# Altium PCB uz_per_voltage_measurement.PcbDoc (part 1 of 2) (continued)
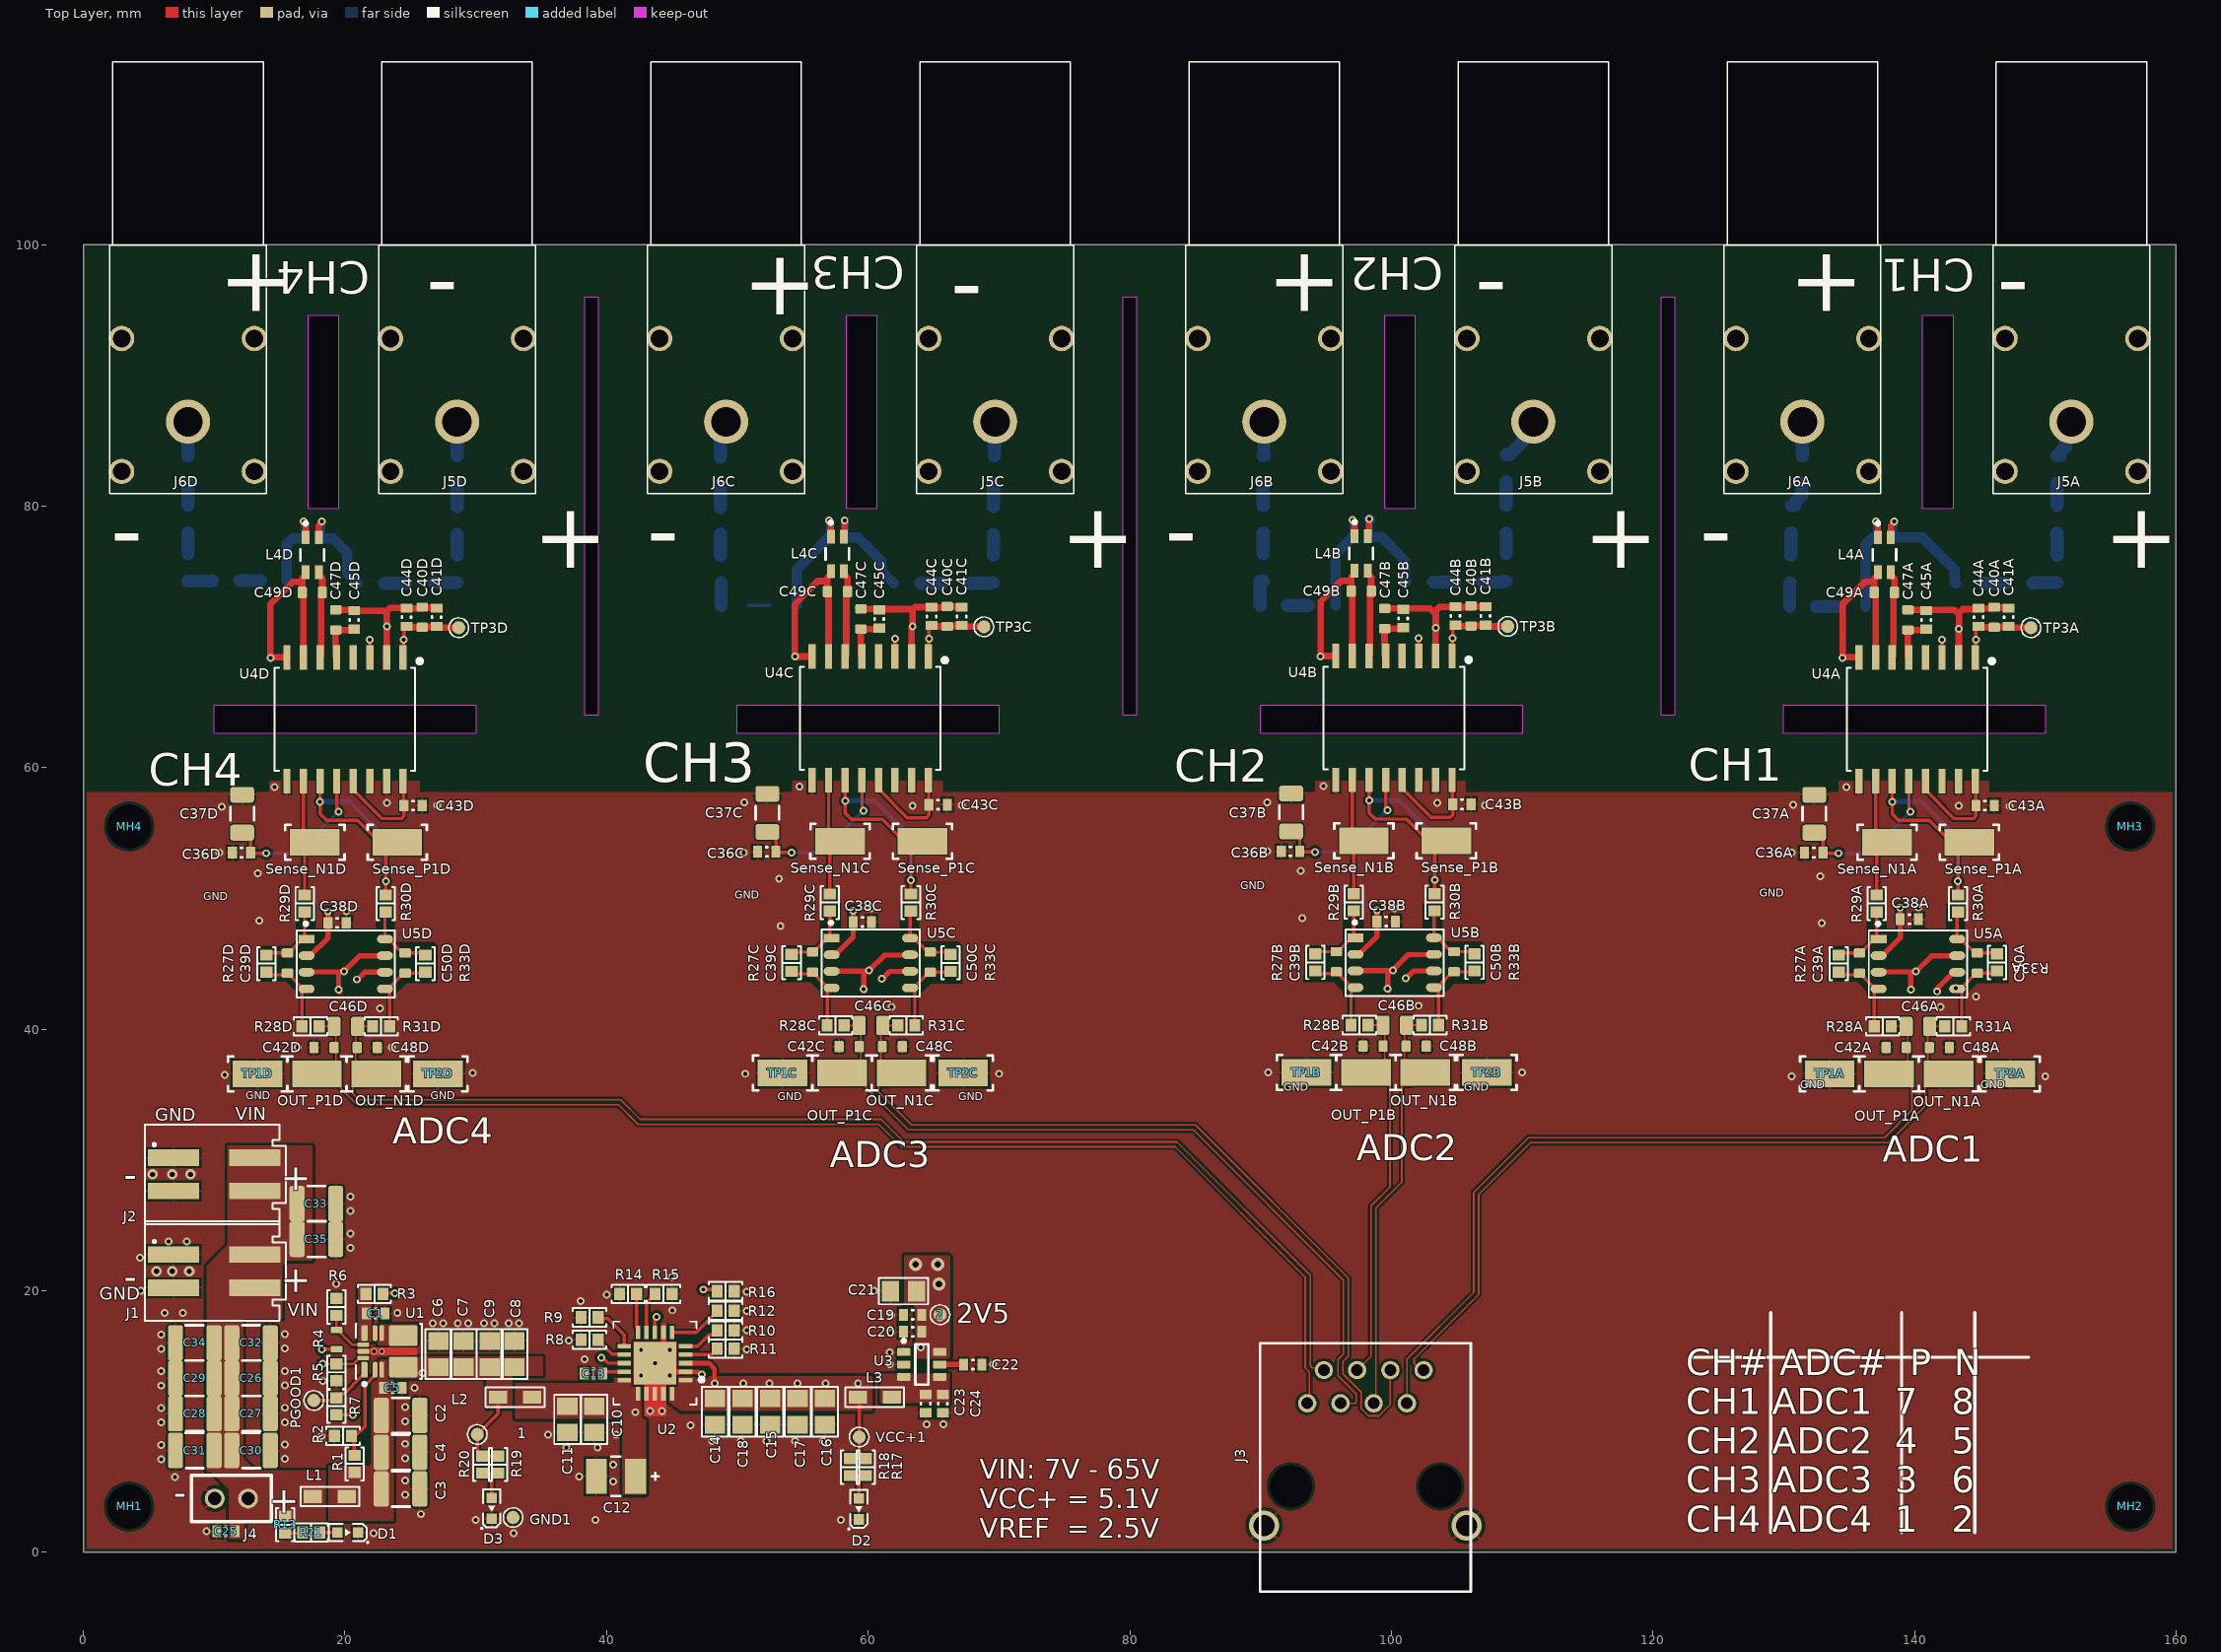
[diagram p0: Top Layer view]
## Classes and differential pairs
channel class Voltage_Measurement: Measurement_1 Measurement_2 Measurement_3 Measurement_4
net class Power: NetJ5A_1 NetJ5B_1 NetJ5C_1 NetJ5D_1 NetJ6A_1 NetJ6B_1 NetJ6C_1 NetJ6D_1
component class power_supply: 1 2 C1 C2 C3 C4 C5 C6 C7 C8 C9 C10 C11 C12 C13 C14 C15 C16 C17 C18 C19 C20 C21 C22 C23 C24 D1 D2 D3 GND1 L1 L2 L3 PGOOD1 R1 R2 R3 R4 R5 R6 R7 R8 R9 R10 R11 R12 R13 R14 R15 R16 R17 R18 R19 R20 R21 U1 U2 U3 VCC+1
component class TopSheet: C25 C26 C27 C28 C29 C30 C31 C32 C33 C34 C35 INFO1 J1 J2 J3 J4 LOGO1 MH1 MH2 MH3 MH4 Serial1
component class Measurement_4: C36D C37D C38D C39D C40D C41D C42D C43D C44D C45D C46D C47D C48D C49D C50D J5D J6D L4D OUT_N1D OUT_P1D R22D R23D R24D R25D R26D R27D R28D R29D R30D R31D R32D R33D R34D R35D R36D R37D R38D Sense_N1D Sense_P1D TP1D TP2D TP3D U4D U5D
component class Measurement_3: C36C C37C C38C C39C C40C C41C C42C C43C C44C C45C C46C C47C C48C C49C C50C J5C J6C L4C OUT_N1C OUT_P1C R22C R23C R24C R25C R26C R27C R28C R29C R30C R31C R32C R33C R34C R35C R36C R37C R38C Sense_N1C Sense_P1C TP1C TP2C TP3C U4C U5C
component class Measurement_2: C36B C37B C38B C39B C40B C41B C42B C43B C44B C45B C46B C47B C48B C49B C50B J5B J6B L4B OUT_N1B OUT_P1B R22B R23B R24B R25B R26B R27B R28B R29B R30B R31B R32B R33B R34B R35B R36B R37B R38B Sense_N1B Sense_P1B TP1B TP2B TP3B U4B U5B
component class Measurement_1: C36A C37A C38A C39A C40A C41A C42A C43A C44A C45A C46A C47A C48A C49A C50A J5A J6A L4A OUT_N1A OUT_P1A R22A R23A R24A R25A R26A R27A R28A R29A R30A R31A R32A R33A R34A R35A R36A R37A R38A Sense_N1A Sense_P1A TP1A TP2A TP3A U4A U5A
differential pair I3_OUT: +I3_OUT_P -I3_OUT_N
differential pair I4_OUT: +I4_OUT_P -I4_OUT_N
differential pair I2_OUT: +I2_OUT_P -I2_OUT_N
differential pair I1_OUT: +I1_OUT_P -I1_OUT_N

## Components (designator, comment, footprint, x,y, rotation, side; value= is the part's Value field where it differs from the comment)
1 "6.1V" TP_1mm 30.117,9.011 r90 top value="Testpoint 1mm"
2 "2V5" TP_1mm 65.495,18.164 r90 top value="Testpoint 1mm"
C1 "1 µF" C_0603 22.352,18.264 r0 top
C2 "2.2 µF" C_1210_TE 24.252,10.464 r0 top
C3 "2.2 µF" C_1210_TE 24.252,4.839 r0 top
C4 "2.2 µF" C_1210_TE 24.252,7.651 r0 top
C5 "100 nF" C_0603 23.652,12.564 r180 top
C6 "10 µF" C0805 27.152,15.164 r270 top
C7 "10 µF" C0805 29.052,15.164 r270 top
C8 "10 µF" C0805 32.952,15.164 r270 top
C9 "10 µF" C0805 31.052,15.164 r270 top
C10 "10 µF" C0805 39.039,10.164 r90 top
C11 "10 µF" C0805 37.002,10.164 r90 top
C12 "47 uF" 10TPE47MAZB 40.717,5.811 r0 top
C13 "1 µF" C_0603 39.002,13.664 r180 top
C14 "10 µF" C0805 48.302,10.764 r90 top
C15 "10 µF" C0805 52.502,10.764 r90 top
C16 "10 µF" C0805 56.702,10.764 r90 top
C17 "10 µF" C0805 54.602,10.764 r90 top
C18 "10 µF" C0805 50.402,10.764 r90 top
C19 "100 nF" C_0603 63.402,18.164 r0 top
C20 "1 µF" C_0603 63.402,16.864 r0 top
C21 "10 µF" C0805 62.702,19.964 r0 top
C22 "1 µF" C_0603 68.002,14.364 r180 top
C23 "100 nF" C_0603 64.402,11.364 r90 top
C24 "1 µF" C_0603 65.702,11.364 r90 top
C25 "100 nF" C_0603 10.9,1.6 r180 top
C26 "2.2 µF" C_1210_TE 12.817,13.311 r0 top
C27 "2.2 µF" C_1210_TE 12.817,10.611 r0 top
C28 "2.2 µF" C_1210_TE 8.517,10.611 r180 top
C29 "2.2 µF" C_1210_TE 8.517,13.311 r180 top
C30 "2.2 µF" C_1210_TE 12.817,7.786 r0 top
C31 "2.2 µF" C_1210_TE 8.517,7.786 r180 top
C32 "2.2 µF" C_1210_TE 12.817,16.011 r0 top
C33 "2.2 µF" C_1210_TE 17.817,26.661 r0 top
C34 "2.2 µF" C_1210_TE 8.517,16.011 r180 top
C35 "2.2 µF" C_1210_TE 17.817,23.936 r0 top
C36A "1 µF" C_0603 132.298,53.499 r0 top (schematic designator C36)
C36B "1 µF" C_0603 92.298,53.599 r0 top (schematic designator C36)
C36C "1 µF" C_0603 52.248,53.567 r0 top (schematic designator C36)
C36D "1 µF" C_0603 12.098,53.499 r0 top (schematic designator C36)
C37A "1 nF" C_1206_TE 132.342,56.478 r0 top (schematic designator C37)
C37B "1 nF" C_1206_TE 92.342,56.578 r0 top (schematic designator C37)
C37C "1 nF" C_1206_TE 52.292,56.546 r0 top (schematic designator C37)
C37D "1 nF" C_1206_TE 12.142,56.478 r0 top (schematic designator C37)
C38A "100 nF" C_0603 139.6,48.4 r0 top (schematic designator C38)
C38B "100 nF" C_0603 99.609,48.232 r0 top (schematic designator C38)
C38C "100 nF" C_0603 59.559,48.201 r0 top (schematic designator C38)
C38D "100 nF" C_0603 19.409,48.132 r0 top (schematic designator C38)
C39A "22pF" C_0603_TE 135.798,45.056 r180 top (schematic designator C39)
C39B "22pF" C_0603_TE 95.798,45.156 r180 top (schematic designator C39)
C39C "22pF" C_0603_TE 55.748,45.125 r180 top (schematic designator C39)
C39D "22pF" C_0603_TE 15.598,45.056 r180 top (schematic designator C39)
C40A "1 nF" C_0603_TE 146.1,71.5 r0 top (schematic designator C40)
C40B "1 nF" C_0603_TE 106.1,71.6 r0 top (schematic designator C40)
C40C "1 nF" C_0603_TE 66.05,71.568 r0 top (schematic designator C40)
C40D "1 nF" C_0603_TE 25.9,71.5 r0 top (schematic designator C40)
C41A "1 uF" C_0603 147.2,71.5 r270 top (schematic designator C41)
C41B "1 uF" C_0603 107.2,71.6 r270 top (schematic designator C41)
C41C "1 uF" C_0603 67.15,71.568 r270 top (schematic designator C41)
C41D "1 uF" C_0603 27,71.5 r270 top (schematic designator C41)
C42A "68 nF" C_0603_TE 138.6,38.6 r90 top (schematic designator C42)
C42B "68 nF" C_0603_TE 98.6,38.7 r90 top (schematic designator C42)
C42C "68 nF" C_0603_TE 58.55,38.668 r90 top (schematic designator C42)
C42D "68 nF" C_0603_TE 18.4,38.6 r90 top (schematic designator C42)
C43A "100 nF" C_0603 145.4,57.1 r0 top (schematic designator C43)
C43B "100 nF" C_0603 105.4,57.2 r0 top (schematic designator C43)
C43C "100 nF" C_0603 65.35,57.168 r0 top (schematic designator C43)
C43D "100 nF" C_0603 25.2,57.1 r0 top (schematic designator C43)
C44A "100 nF" C_0603 144.9,71.5 r270 top (schematic designator C44)
C44B "100 nF" C_0603 104.9,71.6 r270 top (schematic designator C44)
C44C "100 nF" C_0603 64.85,71.568 r270 top (schematic designator C44)
C44D "100 nF" C_0603 24.7,71.5 r270 top (schematic designator C44)
C45A "100 nF" C_0603 140.9,71.3 r270 top (schematic designator C45)
C45B "100 nF" C_0603 100.9,71.4 r270 top (schematic designator C45)
C45C "100 nF" C_0603 60.85,71.368 r270 top (schematic designator C45)
C45D "100 nF" C_0603 20.7,71.3 r270 top (schematic designator C45)
C46A "680 nF" C_0805_TE 140.267,40.211 r270 top (schematic designator C46)
C46B "680 nF" C_0805_TE 100.267,40.311 r270 top (schematic designator C46)
C46C "680 nF" C_0805_TE 60.217,40.279 r270 top (schematic designator C46)
C46D "680 nF" C_0805_TE 20.067,40.211 r270 top (schematic designator C46)
C47A "1 nF" C_0603_TE 139.5,71.3 r0 top (schematic designator C47)
C47B "1 nF" C_0603_TE 99.5,71.4 r0 top (schematic designator C47)
C47C "1 nF" C_0603_TE 59.45,71.368 r0 top (schematic designator C47)
C47D "1 nF" C_0603_TE 19.3,71.3 r0 top (schematic designator C47)
C48A "68 nF" C_0603_TE 141.9,38.6 r90 top (schematic designator C48)
C48B "68 nF" C_0603_TE 101.9,38.7 r90 top (schematic designator C48)
C48C "68 nF" C_0603_TE 61.85,38.668 r90 top (schematic designator C48)
C48D "68 nF" C_0603_TE 21.7,38.6 r90 top (schematic designator C48)
C49A "22pF" C_0603_TE 137.7,73.4 r270 top (schematic designator C49)
C49B "22pF" C_0603_TE 97.7,73.5 r270 top (schematic designator C49)
C49C "22pF" C_0603_TE 57.65,73.468 r270 top (schematic designator C49)
C49D "22pF" C_0603_TE 17.5,73.4 r270 top (schematic designator C49)
C50A "22pF" C_0603_TE 144.802,45.056 r180 top (schematic designator C50)
C50B "22pF" C_0603_TE 104.802,45.156 r180 top (schematic designator C50)
C50C "22pF" C_0603_TE 64.752,45.125 r180 top (schematic designator C50)
C50D "22pF" C_0603_TE 24.602,45.056 r180 top (schematic designator C50)
D1 "KT-0603R" WL-SMCW_0603 20.217,1.511 r180 top
D2 "KT-0603R" WL-SMCW_0603 59.287,3.311 r90 top
D3 "KT-0603R" WL-SMCW_0603 31.212,3.364 r90 top
GND1 "Testpoint 1mm" TP_1mm 32.852,2.664 r0 top
INFO1 "Design Information" Design_info 87.917,16.111 r180 bottom
J1 "IPL1-102-02-L-D-K" IPL1-102-02-L-D-K-0 10,21.5 r0 top
J2 "IPL1-102-02-L-D-K" IPL1-102-02-L-D-K-0 10,28.9 r0 top
J3 "R-RJ45R10P-B000" R-RJ45R10P-B000 98,7.55 r0 top locked
J4 "TSW-102-07-F-S" TSW-102-XX-XXX-S 11.317,4.111 r180 top
J5A "FCR7350R, PCB mount 4mm jack, RED" FCR7350 152,97.43 r90 top locked value="PCB mount 4mm jack, Red FCR7350R, 1000V, 24A" (schematic designator J5)
J5B "FCR7350R, PCB mount 4mm jack, RED" FCR7350 110.857,97.43 r90 top locked value="PCB mount 4mm jack, Red FCR7350R, 1000V, 24A" (schematic designator J5)
J5C "FCR7350R, PCB mount 4mm jack, RED" FCR7350 69.714,97.43 r90 top locked value="PCB mount 4mm jack, Red FCR7350R, 1000V, 24A" (schematic designator J5)
J5D "FCR7350R, PCB mount 4mm jack, RED" FCR7350 28.571,97.43 r90 top locked value="PCB mount 4mm jack, Red FCR7350R, 1000V, 24A" (schematic designator J5)
J6A "FCR7350B, PCB mount 4mm jack, BLACK" FCR7350 131.429,97.43 r90 top locked value="PCB mount 4mm jack, Black	FCR7350B, 1000V, 24A" (schematic designator J6)
J6B "FCR7350B, PCB mount 4mm jack, BLACK" FCR7350 90.286,97.43 r90 top locked value="PCB mount 4mm jack, Black	FCR7350B, 1000V, 24A" (schematic designator J6)
J6C "FCR7350B, PCB mount 4mm jack, BLACK" FCR7350 49.143,97.43 r90 top locked value="PCB mount 4mm jack, Black	FCR7350B, 1000V, 24A" (schematic designator J6)
J6D "FCR7350B, PCB mount 4mm jack, BLACK" FCR7350 8,97.43 r90 top locked value="PCB mount 4mm jack, Black	FCR7350B, 1000V, 24A" (schematic designator J6)
L1 "600 Ohm" "WE-CBF_0805_High Current" 18.852,4.264 r0 top
L2 "600 Ohm" "WE-CBF_0805_High Current" 33.002,11.864 r0 top
L3 "600 Ohm" "WE-CBF_0805_High Current" 60.502,11.864 r0 top
L4A "DLW31SN222SQ2L" FP-DLW31S-MFG 137.7,76.275 r270 top (schematic designator L4)
L4B "DLW31SN222SQ2L" FP-DLW31S-MFG 97.7,76.375 r270 top (schematic designator L4)
L4C "DLW31SN222SQ2L" FP-DLW31S-MFG 57.65,76.343 r270 top (schematic designator L4)
L4D "DLW31SN222SQ2L" FP-DLW31S-MFG 17.5,76.275 r270 top (schematic designator L4)
LOGO1 "UZ Logo" UZ_Logo_small 83.517,2.411 r180 bottom value=Logo
MH1 "Mounting Hole" MH_3.4#1 3.5,3.5 r90 top locked
MH2 "Mounting Hole" MH_3.4#1 156.5,3.5 r90 top locked
MH3 "Mounting Hole" MH_3.4#2 156.5,55 r90 top locked
MH4 "Mounting Hole" MH_3.4#2 3.5,55 r90 top locked
OUT_N1A "5015" KSTN-5019_V 142.599,36.585 r180 top value="SMD Testpoint" (schematic designator OUT_N1)
OUT_N1B "5015" KSTN-5019_V 102.599,36.685 r180 top value="SMD Testpoint" (schematic designator OUT_N1)
OUT_N1C "5015" KSTN-5019_V 62.549,36.654 r180 top value="SMD Testpoint" (schematic designator OUT_N1)
OUT_N1D "5015" KSTN-5019_V 22.399,36.585 r180 top value="SMD Testpoint" (schematic designator OUT_N1)
OUT_P1A "5015" KSTN-5019_V 138.057,36.585 r180 top value="SMD Testpoint" (schematic designator OUT_P1)
OUT_P1B "5015" KSTN-5019_V 98.057,36.685 r180 top value="SMD Testpoint" (schematic designator OUT_P1)
OUT_P1C "5015" KSTN-5019_V 58.007,36.654 r180 top value="SMD Testpoint" (schematic designator OUT_P1)
OUT_P1D "5015" KSTN-5019_V 17.857,36.585 r180 top value="SMD Testpoint" (schematic designator OUT_P1)
PGOOD1 "Testpoint 1mm" TP_1mm 17.617,11.611 r90 top
R1 "10k" "RES 0603_1608" 20.752,6.764 r270 top
R2 "100k" "RES 0603_1608" 19.85,8.9 r180 top
R3 "0R" "RES 0603_1608" 22.252,19.764 r180 top
R4 "51k" R_0603_TE 19.352,16.264 r0 top
R5 "0R" "RES 0603_1608" 19.352,13.764 r90 top
R6 "10k" "RES 0603_1608" 19.352,18.764 r90 top
R7 "10k" "RES 0603_1608" 19.352,11.164 r270 top
R8 "0R" "RES 0603_1608" 38.702,16.264 r180 top
R9 "0R" "RES 0603_1608" 38.702,17.964 r0 top
R10 "0R" "RES 0603_1608" 49.102,16.964 r180 top
R11 "0R" "RES 0603_1608" 49.102,15.564 r180 top
R12 "0R" "RES 0603_1608" 49.102,18.464 r0 top
R13 "10k" "RES 0603_1608" 15.417,2.111 r270 top
R14 "0R" "RES 0603_1608" 41.652,19.764 r0 top
R15 "0R" "RES 0603_1608" 44.352,19.764 r180 top
R16 "0R" "RES 0603_1608" 49.102,19.964 r180 top
R17 "10k" "RES 0603_1608" 59.817,6.511 r270 top
R18 "10k" "RES 0603_1608" 58.617,6.511 r270 top
R19 "10k" "RES 0603_1608" 31.717,6.711 r270 top
R20 "10k" "RES 0603_1608" 30.517,6.711 r270 top
R21 "10k" "RES 0603_1608" 17.417,1.511 r0 top
R22A "1M" R_0805_TE 150.9,82.8 r90 bottom (schematic designator R22)
R22B "1M" R_0805_TE 108.8,82.9 r90 bottom (schematic designator R22)
R22C "1M" R_0805_TE 69.6,82.8 r90 bottom (schematic designator R22)
R22D "1M" R_0805_TE 28.6,82.8 r90 bottom (schematic designator R22)
R23A "1M" R_0805_TE 150.9,79 r270 bottom (schematic designator R23)
R23B "1M" R_0805_TE 108.771,78.989 r270 bottom (schematic designator R23)
R23C "1M" R_0805_TE 69.571,78.889 r270 bottom (schematic designator R23)
R23D "1M" R_0805_TE 28.571,78.889 r270 bottom (schematic designator R23)
R24A "1M" R_0805_TE 150.9,75.2 r90 bottom (schematic designator R24)
R24B "1M" R_0805_TE 108.8,75.3 r90 bottom (schematic designator R24)
R24C "1M" R_0805_TE 69.6,75.2 r90 bottom (schematic designator R24)
R24D "1M" R_0805_TE 28.6,75.2 r90 bottom (schematic designator R24)
R25A "1M" R_0805_TE 148,74.1 r180 bottom (schematic designator R25)
R25B "1M" R_0805_TE 105.9,74.2 r180 bottom (schematic designator R25)
R25C "1M" R_0805_TE 66.7,74.1 r180 bottom (schematic designator R25)
R25D "1M" R_0805_TE 25.7,74.1 r180 bottom (schematic designator R25)
R26A "1M" R_0805_TE 144.2,74.1 r0 bottom (schematic designator R26)
R26B "1M" R_0805_TE 102.2,74.2 r0 bottom (schematic designator R26)
R26C "1M" R_0805_TE 63,74.1 r0 bottom (schematic designator R26)
R26D "1M" R_0805_TE 22,74.1 r0 bottom (schematic designator R26)
R27A "2k" "RES 0603_1608" 134.198,45.006 r270 top (schematic designator R27)
R27B "2k" "RES 0603_1608" 94.198,45.106 r270 top (schematic designator R27)
R27C "2k" "RES 0603_1608" 54.148,45.075 r270 top (schematic designator R27)
R27D "2k" "RES 0603_1608" 13.998,45.006 r270 top (schematic designator R27)
R28A "49R9" "RES 0603_1608" 137.567,40.211 r0 top (schematic designator R28)
R28B "49R9" "RES 0603_1608" 97.567,40.311 r0 top (schematic designator R28)
R28C "49R9" "RES 0603_1608" 57.517,40.279 r0 top (schematic designator R28)
R28D "49R9" "RES 0603_1608" 17.367,40.211 r0 top (schematic designator R28)
R29A "1k" "RES 0603_1608" 137.117,49.611 r270 top (schematic designator R29)
R29B "1k" "RES 0603_1608" 97.117,49.711 r270 top (schematic designator R29)
R29C "1k" "RES 0603_1608" 57.067,49.679 r270 top (schematic designator R29)
R29D "1k" "RES 0603_1608" 16.917,49.611 r270 top (schematic designator R29)
R30A "1k" "RES 0603_1608" 143.317,49.611 r270 top (schematic designator R30)
R30B "1k" "RES 0603_1608" 103.317,49.711 r270 top (schematic designator R30)
R30C "1k" "RES 0603_1608" 63.267,49.679 r270 top (schematic designator R30)
R30D "1k" "RES 0603_1608" 23.117,49.611 r270 top (schematic designator R30)
R31A "49R9" "RES 0603_1608" 142.967,40.211 r180 top (schematic designator R31)
R31B "49R9" "RES 0603_1608" 102.967,40.311 r180 top (schematic designator R31)
R31C "49R9" "RES 0603_1608" 62.917,40.279 r180 top (schematic designator R31)
R31D "49R9" "RES 0603_1608" 22.767,40.211 r180 top (schematic designator R31)
R32A "10k" "RES 0603_1608" 137.7,77.6 r0 bottom (schematic designator R32)
R32B "10k" "RES 0603_1608" 97.7,77.7 r0 bottom (schematic designator R32)
R32C "10k" "RES 0603_1608" 57.65,77.668 r0 bottom (schematic designator R32)
R32D "10k" "RES 0603_1608" 17.5,77.6 r0 bottom (schematic designator R32)
R33A "2k" "RES 0603_1608" 146.3,45.1 r270 top (schematic designator R33)
R33B "2k" "RES 0603_1608" 106.348,45.106 r270 top (schematic designator R33)
R33C "2k" "RES 0603_1608" 66.298,45.075 r270 top (schematic designator R33)
R33D "2k" "RES 0603_1608" 26.148,45.006 r270 top (schematic designator R33)
R34A "1M" R_0805_TE 135.2,72.3 r0 bottom (schematic designator R34)
R34B "1M" R_0805_TE 94.7,72.4 r0 bottom (schematic designator R34)
R34C "1M" R_0805_TE 53.5,72.4 r0 bottom (schematic designator R34)
R34D "1M" R_0805_TE 14.6,74.3 r0 bottom (schematic designator R34)
R35A "1M" R_0805_TE 131.5,72.3 r180 bottom (schematic designator R35)
R35B "1M" R_0805_TE 91,72.4 r180 bottom (schematic designator R35)
R35C "1M" R_0805_TE 49.8,72.4 r180 bottom (schematic designator R35)
R35D "1M" R_0805_TE 10.9,74.3 r180 bottom (schematic designator R35)
R36A "1M" R_0805_TE 130.5,75.2 r270 bottom (schematic designator R36)
R36B "1M" R_0805_TE 90.2,75.3 r270 bottom (schematic designator R36)
R36C "1M" R_0805_TE 48.7,75.2 r270 bottom (schematic designator R36)
R36D "1M" R_0805_TE 8,75.3 r270 bottom (schematic designator R36)
R37A "1M" R_0805_TE 130.6,79 r90 bottom (schematic designator R37)
R37B "1M" R_0805_TE 90.2,79 r90 bottom (schematic designator R37)
R37C "1M" R_0805_TE 48.7,78.9 r90 bottom (schematic designator R37)
R37D "1M" R_0805_TE 8,79 r90 bottom (schematic designator R37)
R38A "1M" R_0805_TE 131.4,82.8 r270 bottom (schematic designator R38)
R38B "1M" R_0805_TE 90.2,82.8 r270 bottom (schematic designator R38)
R38C "1M" R_0805_TE 48.7,82.7 r270 bottom (schematic designator R38)
R38D "1M" R_0805_TE 8,82.8 r270 bottom (schematic designator R38)
Sense_N1A "5015" KSTN-5019_V 137.9,54.3 r180 top value="SMD Testpoint" (schematic designator Sense_N1)
Sense_N1B "5015" KSTN-5019_V 97.9,54.4 r180 top value="SMD Testpoint" (schematic designator Sense_N1)
Sense_N1C "5015" KSTN-5019_V 57.85,54.368 r180 top value="SMD Testpoint" (schematic designator Sense_N1)
Sense_N1D "5015" KSTN-5019_V 17.7,54.3 r180 top value="SMD Testpoint" (schematic designator Sense_N1)
Sense_P1A "5015" KSTN-5019_V 144.2,54.3 r0 top value="SMD Testpoint" (schematic designator Sense_P1)
Sense_P1B "5015" KSTN-5019_V 104.2,54.4 r0 top value="SMD Testpoint" (schematic designator Sense_P1)
Sense_P1C "5015" KSTN-5019_V 64.15,54.368 r0 top value="SMD Testpoint" (schematic designator Sense_P1)
Sense_P1D "5015" KSTN-5019_V 24,54.3 r0 top value="SMD Testpoint" (schematic designator Sense_P1)
Serial1 "Serialnumber 6.3 x 6.3 mm" SERIAL_6.3X6.3MM 107.517,20.611 r180 bottom value=REV
TP1A "5015" KSTN-5019_V 133.515,36.585 r180 top value="SMD Testpoint" (schematic designator TP1)
TP1B "5015" KSTN-5019_V 93.515,36.685 r180 top value="SMD Testpoint" (schematic designator TP1)
TP1C "5015" KSTN-5019_V 53.465,36.654 r180 top value="SMD Testpoint" (schematic designator TP1)
TP1D "5015" KSTN-5019_V 13.315,36.585 r180 top value="SMD Testpoint" (schematic designator TP1)
TP2A "5015" KSTN-5019_V 147.315,36.585 r0 top value="SMD Testpoint" (schematic designator TP2)
TP2B "5015" KSTN-5019_V 107.315,36.685 r0 top value="SMD Testpoint" (schematic designator TP2)
TP2C "5015" KSTN-5019_V 67.265,36.653 r0 top value="SMD Testpoint" (schematic designator TP2)
TP2D "5015" KSTN-5019_V 27.115,36.585 r0 top value="SMD Testpoint" (schematic designator TP2)
TP3A "Testpoint 1mm" TP_1mm 148.9,70.7 r180 top (schematic designator TP3)
TP3B "Testpoint 1mm" TP_1mm 108.9,70.8 r180 top (schematic designator TP3)
TP3C "Testpoint 1mm" TP_1mm 68.85,70.768 r180 top (schematic designator TP3)
TP3D "Testpoint 1mm" TP_1mm 28.7,70.7 r180 top (schematic designator TP3)
U1 "TPSM365R3F" RDN0011A-MFG 23.452,15.364 r90 top
U2 "TPS7A4700RGWR" QFN65P500X500X100-21N-D 43.702,14.464 r180 top value="5 V"
U3 "REF35250QDBVR" TI_SOT23_6-Leads 64.102,14.364 r0 top value=2.5V
U4A "AMC3330DWE" SOIC_30DWER_TEX 140.2,63.7 r270 top (schematic designator U4)
U4B "AMC3330DWE" SOIC_30DWER_TEX 100.2,63.8 r270 top (schematic designator U4)
U4C "AMC3330DWE" SOIC_30DWER_TEX 60.15,63.768 r270 top (schematic designator U4)
U4D "AMC3330DWE" SOIC_30DWER_TEX 20,63.7 r270 top (schematic designator U4)
U5A "THS4521" ADA4940-1ARZ-R7 140.259,44.989 r0 top (schematic designator U5)
U5B "THS4521" ADA4940-1ARZ-R7 100.259,45.089 r0 top (schematic designator U5)
U5C "THS4521" ADA4940-1ARZ-R7 60.209,45.058 r0 top (schematic designator U5)
U5D "THS4521" ADA4940-1ARZ-R7 20.059,44.989 r0 top (schematic designator U5)
VCC+1 "VCC+" TP_1mm 59.317,8.811 r90 top value="Testpoint 1mm"

## Footprints (in the part's own frame and the unit in brackets; to place one, negate y for a bottom-side part, rotate by r counter-clockwise, add the part's x,y. Pads: shape width x height; smd on the part's side, far side on the other; paste and mask are expansions set on the pad)
10TPE47MAZB [mm] "Tantalum Capacitors - Polymer 10volts 47uF ESR 35mohm"
  rect 1.6x2.7 smd paste+0 mask+0: 1(-1.5,0) 2(1.5,0)
  silkscreen extent -0.33,-1.5 3.25,1.5, body extent -1.75,-1.4 1.75,1.4, height 2
ADA4940-1ARZ-R7 [mm]
  rect 1.22x0.663 smd: 1(-3,1.905)
  oval 1.22x0.663 smd: 2(-3,0.635) 3(-3,-0.635) 4(-3,-1.905) 5(3,-1.905) 6(3,-0.635) 7(3,0.635) 8(3,1.905)
  silkscreen extent -3.75,-2.55 3.75,3.2, body extent -3.1,-2.5 3.1,2.5, height 1.76
C0805 [mm]
  rect 1.35x1.55 smd: 1(-1,0) 2(1,0)
  silkscreen extent -1.9,-1 1.9,1, body extent -1.1,-0.72 1.1,0.72, height 1.45
C_0603 [mm] "Chip Capacitor, Body 1.6x0.8mm, Height 1.0mm, IPC High Density"
  rect 0.7x0.9 smd: 1(-0.7,0) 2(0.7,0)
  silkscreen extent -0.05,-0.35 0.05,0.35, body extent -0.87,-0.47 0.88,0.48, height 1
C_0603_TE [mm] "Vishay VJ0603 1.6 x 0.8 (+0.15/-0.1) 0.4 +/- 0,15mm Kontakte"
  rrect33% 0.88x0.71 smd: 1(0,0.77) 2(0,-0.77)
  body extent -0.4,-0.8 0.4,0.8, height 1
C_0805_TE [mm] "Capacitor, Chip; 2.00 mm L X 1.25 mm W X 1.45 mm H body"
  rrect33% 1.47x1 smd: 1(0,0.9) 2(0,-0.9)
  body extent -0.62,-1 0.63,1, height 1.45
C_1206_TE [mm]
  rrect33% 1.82x1.21 smd: 1(0,1.45) 2(0,-1.45)
  silkscreen extent -0.9,-0.5 0.9,0.5, body extent -0.81,-1.6 0.81,1.6, height 1.82
C_1210_TE [mm]
  rrect33% 1.16x2.72 smd: 1(-1.475,0) 2(1.475,0)
  silkscreen extent -0.65,-1.35 0.7,1.35, body extent -1.6,-1.26 1.6,1.26, height 2.52
Design_info [mm] "Design information about the PCB"
FCR7350 [mil]
  round 132.87 hole 88.58: 1(-432.22,0)
  round 76.5 hole 53.15: 2(-581.83,200) 3(-581.83,-200) 4(-181.83,-200) 5(-181.83,200)
  silkscreen extent -649,-236 652,236, body extent -648,-236 651,236, height 485
FP-DLW31S-MFG [mm]
  rect 1.05x0.6 smd paste+0 mask+0: 1(-1.325,-0.5) 2(1.325,-0.5) 3(1.325,0.5) 4(-1.325,0.5)
  silkscreen extent -2.52,-0.9 0.43,0.9, body extent -1.95,-1 1.95,1, height 0.25
IPL1-102-02-L-D-K-0 [mm]
  rect 3.94x1.27 smd paste+0 mask+0: 1(-3.11,1.27) 2(-3.11,-1.27) 3(3.11,1.27) 4(3.11,-1.27)
  silkscreen extent -5.3,-3.81 5.5,3.81, body extent -4.79,-3.3 4.79,3.3, height 8.76
KSTN-5019_V [mm] "Test Point, 1-Leads, Body 3.81x2.03mm"
  rect 3.8x2.03 smd: 1(0,0)
  silkscreen extent -2.26,-1.34 2.27,1.34, body extent -1.91,-1.02 1.9,1.02, height 2.29
MH_3.4#1 [mm]
  round 3.1 hole 3.4 unplated: 1(0,0)
MH_3.4#2 [mm]
  round 3.1 hole 3.4 unplated: 1(0.5,0)
QFN65P500X500X100-21N-D [mm]
  rect 1.05x0.35 smd: 1(-2.35,1.3) 2(-2.35,0.65) 3(-2.35,0) 4(-2.35,-0.65) 5(-2.35,-1.3) 11(2.35,-1.3) 12(2.35,-0.65) 13(2.35,0) 14(2.35,0.65) 15(2.35,1.3)
  rect 0.35x1.05 smd: 6(-1.3,-2.35) 7(-0.65,-2.35) 8(0,-2.35) 9(0.65,-2.35) 10(1.3,-2.35) 16(1.3,2.35) 17(0.65,2.35) 18(0,2.35) 19(-0.65,2.35) 20(-1.3,2.35)
  rect 3.25x3.25 smd: 21(0,0)
  silkscreen extent -3.71,-3.17 3.18,3.17
R-RJ45R10P-B000 [mm]
  round 1.4 hole 0.9: A1(-4.425,3.842) A2(-3.155,6.382) A3(-1.885,3.842) A4(-0.615,6.382) A5(0.655,3.842) A6(1.925,6.382) A7(3.195,3.842) A8(4.465,6.382)
  round 1.065 hole 3.25 unplated: MH3(-5.69,-2.508) MH4(5.74,-2.508)
  round 2.3 hole 1.6: S1(-7.725,-5.5) S2(7.75,-5.5)
  silkscreen extent -8.03,-10.55 8.08,8.45, body extent -7.9,-10.43 7.9,8.37, height 14.5
R_0603_TE [mm] "Vishay D0603 1.55 x 0.85 (+0.1/-0.05) 0.3 +/- 0,2mm Kontakte"
  rrect33% 0.9x0.5 smd: 1(0,0.73) 2(0,-0.73)
  body extent -0.42,-0.78 0.43,0.77, height 0.45
R_0805_TE [mm]
  rrect33% 1x1.5 smd: 1(-1.04,0) 2(1.04,0)
  silkscreen extent -0.25,-0.7 0.25,0.7, body extent -1,-0.6 1,0.6, height 0.83
RDN0011A-MFG [mm]
  rrect42% 1.2x0.475 smd paste-1000 mask-1000: 1(-1.4,1.962) 8(1.4,1.962)
  rrect57% 1.2x0.35 smd paste-1000 mask-1000: 2(-1.4,1.15) 3(-1.4,0.65) 6(1.4,0.65) 7(1.4,1.15)
  rrect13% 1.6x2.15 smd paste-1000 mask-1000: 4(-1.2,-1) 5(1.2,-1)
  rrect57% 0.35x0.9 smd paste-1000 mask-1000: 9(0.5,2.05) 10(0,2.05) 11(-0.5,2.05)
  Top Layer region: -0.2,2.4 -0.2,2.42 -0.185,2.457 -0.157,2.485 -0.12,2.5 -0.1,2.5 -0.1,2.5 0.1,2.5 0.12,2.5 0.157,2.485 0.185,2.457 0.2,2.42 0.2,2.4 0.2,2.4 0.2,1.515 0.201,1.507 0.207,1.493 0.218,1.482 0.232,1.476 0.24,1.475 0.24,1.475 0.24,1.475 0.248,1.475 0.263,1.469 0.274,1.458 0.28,1.443 0.28,1.435 0.28,1.435 0.28,-1.975 0.28,-1.995 0.265,-2.032 0.237,-2.06 0.2,-2.075 0.18,-2.075 0.18,-2.075 -0.18,-2.075 -0.2,-2.075 -0.237,-2.06 -0.265,-2.032 -0.28,-1.995 -0.28,-1.975 -0.28,-1.975 -0.28,1.435 -0.28,1.443 -0.274,1.458 -0.263,1.469 -0.248,1.475 -0.24,1.475 -0.24,1.475 -0.232,1.476 -0.218,1.482 -0.207,1.493 -0.201,1.507 -0.2,1.515 -0.2,1.515
  silkscreen extent -2.62,-2.42 2.1,2.6, body extent -2.1,-2.4 2.1,2.6, height 0.25
"RES 0603_1608" [mm] "Chip Resistor, 2-Leads, Body 1.60x0.80mm, IPC Medium Density"
  rect 0.85x0.95 smd: 1(-0.65,0) 2(0.65,0)
  silkscreen extent -1.27,-0.7 1.27,0.7, body extent -0.8,-0.4 0.8,0.4, height 0.45
SERIAL_6.3X6.3MM [mm]
  silkscreen extent -3.3,-3.3 3.3,3.3
SOIC_30DWER_TEX [mm]
  rect 1.874x0.558 smd paste+0 mask+0: 1(-4.734,4.445) 2(-4.734,3.175) 3(-4.734,1.905) 4(-4.734,0.635) 5(-4.734,-0.635) 6(-4.734,-1.905) 7(-4.734,-3.175) 8(-4.734,-4.445) 9(4.734,-4.445) 10(4.734,-3.175) 11(4.734,-1.905) 12(4.734,-0.635) 13(4.734,0.635) 14(4.734,1.905) 15(4.734,3.175) 16(4.734,4.445)